# Altium PCB ZeroPilot3.0.PcbDoc (part 1 of 2) (continued)
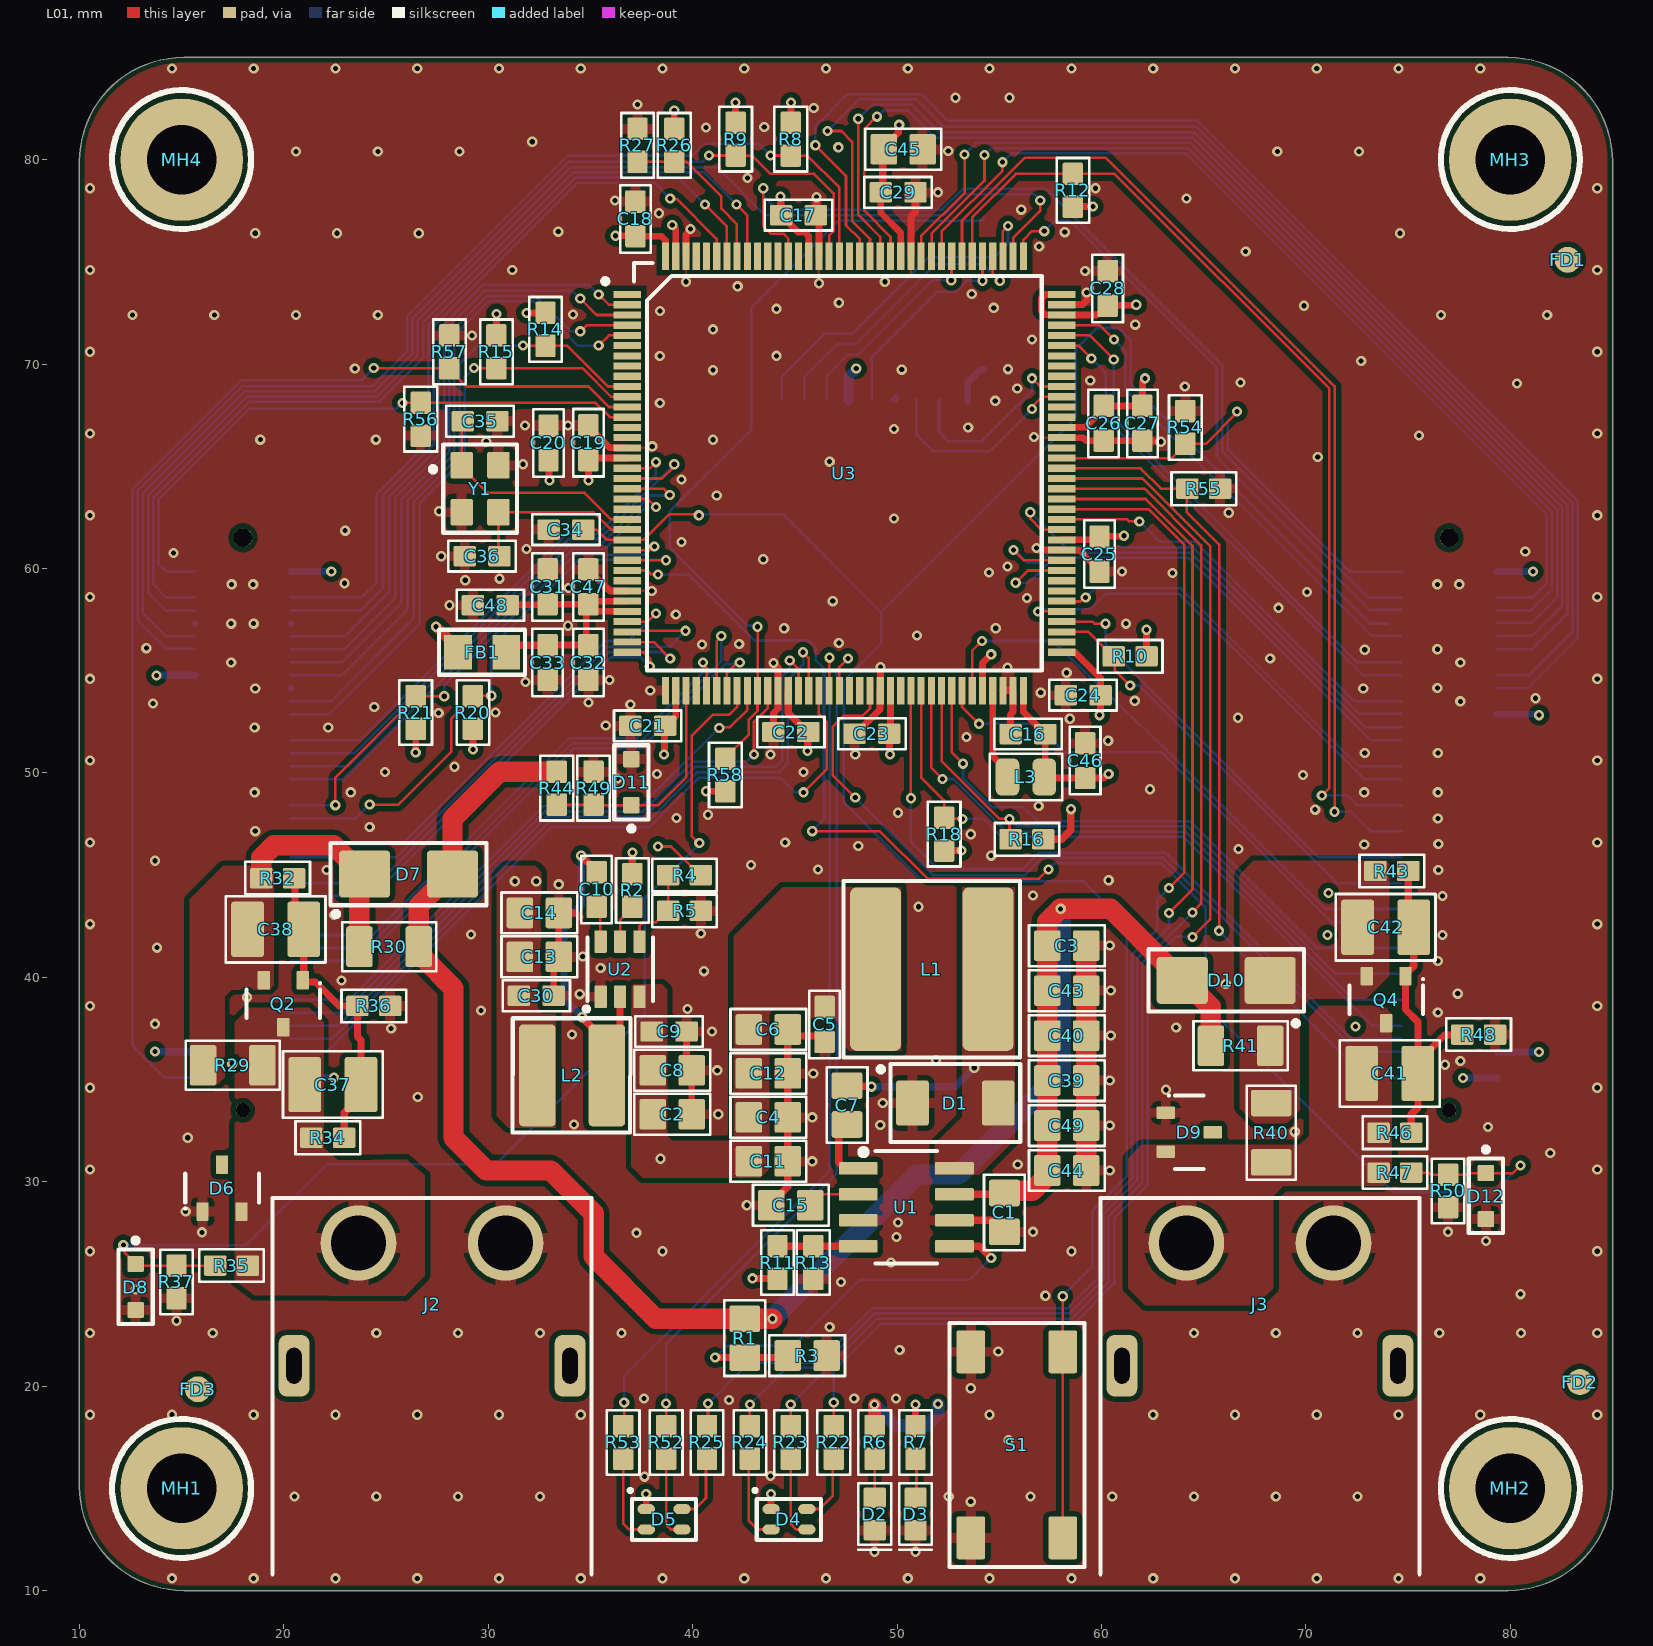
[diagram p0: L01 view]
## Design rules (kind name [scope] priority, off if disabled: settings)
AcuteAngle [All] p1: minimum=7.00000000000000E+0001 checktracksonly=FALSE
BoardOutlineClearance [All] p1: gap=0.254 ignorepadtopadclearanceinfootprint=FALSE except(0: Arc-SplitContinuation Track-SplitContinuation SMDPad-SplitContinuation THPad-SplitContinuation Via-SplitContinuation Fill-SplitContinuation Poly-SplitContinuation Region-SplitContinuation Text-SplitContinuation)
Clearance Clearance_PWR [(InNet('VDDA') or InNet('5V') or InNet('3V3') or InNet('GND') or InNet('SMPS'))] p1: gap=0.254 ignorepadtopadclearanceinfootprint=FALSE except(0: Arc-Hole Track-Hole SMDPad-Hole THPad-Hole Via-Hole Fill-Hole Poly-Hole Region-Hole Text-Hole; 0.14: Arc-SMDPad Track-SMDPad; 0.15: Arc-Arc Arc-Track Track-Track SMDPad-SMDPad; 0.4: Arc-THPad Arc-Text Track-THPad Track-Text SMDPad-THPad SMDPad-Text THPad-THPad THPad-Text Via-Text Fill-Text Poly-Text Region-Text Text-Text)
Clearance [All] p2: gap=0.254 ignorepadtopadclearanceinfootprint=FALSE except(0: Arc-Hole Track-Hole SMDPad-Hole THPad-Hole Via-Hole Fill-Hole Poly-Hole Region-Hole Text-Hole; 0.127: Arc-Arc Arc-Track Track-Track; 0.14: Arc-SMDPad Track-SMDPad; 0.15: SMDPad-SMDPad; 0.4: Arc-THPad Arc-Text Track-THPad Track-Text SMDPad-THPad SMDPad-Text THPad-THPad THPad-Text Via-Text Fill-Text Poly-Text Region-Text Text-Text)
HoleSize [All] p1: absolutevalues=TRUE maxlimit=4 minlimit=0.25 maxpercent=80.000 minpercent=20.000
MinimumSolderMaskSliver [All] p1: minsoldermaskwidth=0.19
PolygonConnect [All] p1: connectstyle=Relief reliefconductorwidth=0.508 reliefentries=4 polygonreliefangle="90 Angle" airgapwidth=0.254
RoutingVias [All] p1: holewidth=0.35 width=0.7 viastyle="Through Hole" minholewidth=0.25 minwidth=0.5 maxholewidth=0.5 maxwidth=1
SilkToSolderMaskClearance [IsPad] p1: minsilkscreentomaskgap=0.127 clearancetoexposedcopper=TRUE
SolderMaskExpansion [All] p1: expansion=0.1 istentingtop=FALSE
UnRoutedNet [All] p1: checkbadconnections=TRUE
Width [All] p1: maxlimit=1 minlimit=0.127 preferedwidth=0.381 toplayer_prefwidth=0.356 bottomlayer_prefwidth=0.356 minimp=50.000000 maximp=50.000000 favimp=50.000000
26 further rules are at their usual default settings.

## Classes and differential pairs
component class PWR: C1 C2 C3 C4 C5 C6 C7 C8 C9 C10 C11 C12 C13 C14 C15 C30 C39 C40 C43 C44 C49 D1 D2 D3 L1 L2 R1 R2 R3 R4 R5 R6 R7 R11 R13 U1 U2
component class MCU: C16 C17 C18 C19 C20 C21 C22 C23 C24 C25 C26 C27 C28 C29 C31 C32 C33 C34 C35 C36 C46 C47 C48 FB1 L3 R26 R27 S1 U3 Y1 Y?
component class IO: C45 D4 D5 FD1 FD2 FD3 FD4 FD5 FD6 J1 J4 J5 MH1 MH2 MH3 MH4 R8 R9 R10 R12 R14 R15 R16 R18 R20 R21 R22 R23 R24 R25 R52 R53 R54 R55 R56 R57 R58 SS1
component class FLTR: C37 C38 C41 C42 D6 D7 D8 D9 D10 D11 D12 J2 J3 Q2 Q4 R29 R30 R32 R34 R35 R36 R37 R40 R41 R43 R44 R46 R47 R48 R49 R50

## Components (designator, comment, footprint, x,y, rotation, side; value= is the part's Value field where it differs from the comment)
C1 "GCM21BR72A104KA37L" .CAP_0805-Footprint-1 55.25,28.5 r90 top value=0.1uF
C2 "CL21A106KOQNNNE" .CAP_0805-Footprint-1 39,33.3 r180 top value=10uF
C3 "GRM21BR61H106KE43L" .CAP_0805-Footprint-1 58.3,41.55 r180 top value=10uF
C4 "CL21A226MOQNNNE" .CAP_0805-Footprint-1 43.7,33.15 r180 top value=22uF
C5 "GCM188R71C104KA37D" .CAP_0603-Footprint-1 46.45,37.7 r90 top value=0.1uF
C6 "CL21A226MOQNNNE" .CAP_0805-Footprint-1 43.7,37.45 r180 top value=22uF
C7 "C0805C104M5RAC7800" .CAP_0805-Footprint-1 47.55,33.75 r270 top value=0.1uF
C8 "CL21A106KOQNNNE" .CAP_0805-Footprint-1 39,35.45 r180 top value=10uF
C9 "GCM188R71C104KA37D" .CAP_0603-Footprint-1 38.85,37.35 r180 top value=0.1uF
C10 "GCM188R71C104KA37D" .CAP_0603-Footprint-1 35.3,44.3 r270 top value=0.1uF
C11 "CL21A226MOQNNNE" .CAP_0805-Footprint-1 43.7,31 r180 top value=22uF
C12 "CL21A226MOQNNNE" .CAP_0805-Footprint-1 43.7,35.3 r180 top value=22uF
C13 "CL21A226MOQNNNE" .CAP_0805-Footprint-1 32.5,41 r180 top value=22uF
C14 "CL21A226MOQNNNE" .CAP_0805-Footprint-1 32.5,43.15 r180 top value=22uF
C15 "C0805C104M5RAC7800" .CAP_0805-Footprint-1 44.8,28.85 r0 top value=0.1uF
C16 "GRM188C81E475KE11D" .CAP_0603-Footprint-1 56.4,51.9 r0 top value=4.7uF
C17 "GCM188R71C104KA37D" .CAP_0603-Footprint-1 45.176,77.28 r180 top value=100nF
C18 "GCM188R71C104KA37D" .CAP_0603-Footprint-1 37.2,77.1 r270 top value=100nF
C19 "GRM188C81E475KE11D" .CAP_0603-Footprint-1 34.9,66.15 r270 top value=4.7uF
C20 "GCM188R71C104KA37D" .CAP_0603-Footprint-1 32.946,66.14 r270 top value=100nF
C21 "GCM188R71C104KA37D" .CAP_0603-Footprint-1 37.8,52.3 r0 top value=100nF
C22 "GCM188R71C104KA37D" .CAP_0603-Footprint-1 44.8,52 r0 top value=100nF
C23 "GCM188R71C104KA37D" .CAP_0603-Footprint-1 48.766,51.916 r0 top value=100nF
C24 "GCM188R71C104KA37D" .CAP_0603-Footprint-1 59.1,53.8 r0 top value=100nF
C25 "GCM188R71C104KA37D" .CAP_0603-Footprint-1 59.9,60.7 r90 top value=100nF
C26 "GCM188R71C104KA37D" .CAP_0603-Footprint-1 60.1,67.1 r90 top value=100nF
C27 "GRM188C81E475KE11D" .CAP_0603-Footprint-1 62,67.1 r90 top value=4.7uF
C28 "GCM188R71C104KA37D" .CAP_0603-Footprint-1 60.3,73.7 r270 top value=100nF
C29 "GCM188R71C104KA37D" .CAP_0603-Footprint-1 50.05,78.4 r180 top value=100nF
C30 "GCM188R71C104KA37D" .CAP_0603-Footprint-1 32.35,39.1 r180 top value=0.1uF
C31 "GCM188R71C105KA64J" .CAP_0603-Footprint-1 32.9,59.1 r270 top value=1uF
C32 "CC0603KRX7R7BB103" .CAP_0603-Footprint-1 34.9,55.4 r90 top value=10nF
C33 "GCM188R71C105KA64J" .CAP_0603-Footprint-1 32.9,55.4 r90 top value=1uF
C34 "GCM188R71C104KA37D" .CAP_0603-Footprint-1 33.8,61.9 r0 top value=0.1uF
C35 "C0603C200K4HACAUTO" .CAP_0603-Footprint-1 29.6,67.2 r180 top value=20pF
C36 "C0603C200K4HACAUTO" .CAP_0603-Footprint-1 29.7,60.6 r0 top value=20pF
C37 "CL32B225KCJSNNE" .CAP_1210-Footprint-1 22.4,34.75 r180 top value=2.2uF
C38 ".CAP_1210_DNP" .CAP_1210-Footprint-1 19.6,42.35 r180 top value=DNP
C39 "GRM21BR61H106KE43L" .CAP_0805-Footprint-1 58.3,34.95 r180 top value=10uF
C40 "GRM21BR61H106KE43L" .CAP_0805-Footprint-1 58.3,37.15 r180 top value=10uF
C41 "CL32B225KCJSNNE" .CAP_1210-Footprint-1 74.1,35.3 r180 top value=2.2uF
C42 ".CAP_1210_DNP" .CAP_1210-Footprint-1 73.9,42.45 r180 top value=DNP
C43 "GRM21BR61H106KE43L" .CAP_0805-Footprint-1 58.3,39.35 r180 top value=10uF
C44 "GRM21BR61H106KE43L" .CAP_0805-Footprint-1 58.3,30.55 r180 top value=10uF
C45 "CL21A106KOQNNNE" .CAP_0805-Footprint-1 50.3,80.5 r180 top value=10uF
C46 "GCM188R71C104KA37D" .CAP_0603-Footprint-1 59.2,50.6 r270 top value=0.1uF
C47 "GCM188R71C104KA37D" .CAP_0603-Footprint-1 34.9,59.1 r270 top value=0.1uF
C48 "GCM188R71C104KA37D" .CAP_0603-Footprint-1 30.1,58.2 r0 top value=0.1uF
C49 "GRM21BR61H106KE43L" .CAP_0805-Footprint-1 58.3,32.75 r180 top value=10uF
D1 "SS26-E3/5BT" SS26-E3/5BT 52.85,33.85 r0 top
D2 "LTST-C191KGKT" .LED_0603-Footprint-1 48.905,13.745 r270 top
D3 "LTST-C191KGKT" .LED_0603-Footprint-1 50.9,13.745 r270 top
D4 "APTF1616SURKCGKSYKC" APTF1616SURKCGKSYKC 44.71,13.49 r0 top
D5 "APTF1616SURKCGKSYKC" APTF1616SURKCGKSYKC 38.605,13.49 r0 top
D6 "CMPZ5264B TR PBFREE" .SOT23-3 16.95,29.75 r90 top
D7 "B180B-13-F" B180B-13-F 26.1,45.05 r0 top
D8 "MM3Z3V3B" FP-MM3Z3V3B-MFG 12.75,24.85 r90 top
D9 "CMPZ5264B TR PBFREE" .SOT23-3 64.35,32.45 r0 top
D10 "B180B-13-F" B180B-13-F 66.1,39.85 r180 top
D11 "MM3Z3V3B" FP-MM3Z3V3B-MFG 37,49.55 r270 top
D12 "MM3Z3V3B" FP-MM3Z3V3B-MFG 78.8,29.3 r90 top
FB1 "BLM31KN102SN1L" BLM31-1206-Footprint-1 29.7,55.9 r180 top
FD1 "FIDUCIAL-STANDARD" FIDUCIAL-STANDARD-Footprint-1 82.8,75.1 r90 top
FD2 "FIDUCIAL-STANDARD" FIDUCIAL-STANDARD-Footprint-1 83.4,20.2 r90 top
FD3 "FIDUCIAL-STANDARD" FIDUCIAL-STANDARD-Footprint-1 15.8,19.85 r90 top
FD4 "FIDUCIAL-STANDARD" FIDUCIAL-STANDARD-Footprint-1 80.8,19.95 r90 bottom
FD5 "FIDUCIAL-STANDARD" FIDUCIAL-STANDARD-Footprint-1 14.3,20.45 r90 bottom
FD6 "FIDUCIAL-STANDARD" FIDUCIAL-STANDARD-Footprint-1 74.1,82.8 r90 bottom
J1 "528850874" 528850874 77,47.5 r180 bottom locked
J2 "XT60PW-M" XT60PW-M-Footprint-1 27.25,27 r180 top locked
J3 "XT60PW-M" XT60PW-M-Footprint-1 67.75,27 r180 top locked
J4 "5027740891" 5027740891-Footprint-1 54.25,69.75 r180 bottom locked
J5 "528850874" 528850874 18,47.5 r180 bottom locked
L1 "TYS8040221M-10" TYS8040221M-10 51.7,40.4 r180 top value=220uH
L2 "TYS50402R2N-10" TYS50402R2N-10 34.1,35.2 r180 top value=2.2uH
L3 "MLP2016H4R7MT0S1" INDC1916X10N 56.3,49.8 r0 top value=4.7uH
MH1 "M3HOLE-STANDARD" M3HOLE-STANDARD-Footprint-1 15,15 r0 top
MH2 "M3HOLE-STANDARD" M3HOLE-STANDARD-Footprint-1 80,15 r0 top
MH3 "M3HOLE-STANDARD" M3HOLE-STANDARD-Footprint-1 80,80 r0 top
MH4 "M3HOLE-STANDARD" M3HOLE-STANDARD-Footprint-1 15,80 r0 top
Q2 "SI2387DS-T1-GE3" .SOT23-3 20,38.65 r270 top
Q4 "SI2387DS-T1-GE3" .SOT23-3 73.95,38.85 r270 top
R1 "RC0805FR-071ML" .RES_0805-Footprint-1 42.55,22.35 r90 top value=1M
R2 "RC0603FR-0710KL" .RES_0603-Footprint-1 37.05,44.25 r90 top value=10k
R3 "RC0805FR-07383KL" .RES_0805-Footprint-1 45.6,21.5 r180 top value=383k
R4 "RC0603FR-0733K2" .RES_0603-Footprint-1 39.6,45 r0 top value=33.2k
R5 "RC0603FR-0710KL" .RES_0603-Footprint-1 39.6,43.25 r180 top value=10k
R6 "RC0603FR-075K9L" .RES_0603-Footprint-1 48.9,17.25 r90 top value=5.9k
R7 "RC0603FR-072K4L" .RES_0603-Footprint-1 50.9,17.25 r90 top value=2.4k
R8 "RC0603JR-074K7L" .RES_0603-Footprint-1 44.8,81 r90 top value=4.7k
R9 "RC0603JR-074K7L" .RES_0603-Footprint-1 42.1,81 r90 top value=4.7k
R10 "RC0603JR-074K7L" .RES_0603-Footprint-1 61.4,55.7 r0 top value=4.7k
R11 "RC0603FR-0741K2L" .RES_0603-Footprint-1 44.15,26.05 r270 top value=41.2k
R12 "RC0603JR-074K7L" .RES_0603-Footprint-1 58.6,78.5 r270 top value=4.7k
R13 "RC0603FR-0713K3L" .RES_0603-Footprint-1 45.9,26.05 r90 top value=13.3k
R14 "RC0603JR-074K7L" .RES_0603-Footprint-1 32.8,71.7 r90 top value=4.7k
R15 "RC0603JR-074K7L" .RES_0603-Footprint-1 30.4,70.6 r90 top value=4.7k
R16 "RC0603JR-074K7L" .RES_0603-Footprint-1 56.35,46.75 r0 top value=4.7k
R18 "RC0603JR-074K7L" .RES_0603-Footprint-1 52.3,47 r270 top value=4.7k
R20 "RC0603JR-074K7L" .RES_0603-Footprint-1 29.25,52.95 r270 top value=4.7k
R21 "RC0603JR-074K7L" .RES_0603-Footprint-1 26.45,52.95 r270 top value=4.7k
R22 "RC0603FR-071KL" .RES_0603-Footprint-1 46.9,17.25 r90 top value=1k
R23 "RC0603FR-071KL" .RES_0603-Footprint-1 44.8,17.25 r90 top value=1k
R24 "RC0603FR-071KL" .RES_0603-Footprint-1 42.8,17.25 r90 top value=1k
R25 "RC0603FR-071KL" .RES_0603-Footprint-1 40.7,17.25 r90 top value=1k
R26 ".RES_0603_DNP" .RES_0603-Footprint-1 39.1,80.7 r90 top value=DNP
R27 "RC0603FR-0710KL" .RES_0603-Footprint-1 37.3,80.7 r270 top value=10k
R29 ".RES_1206_DNP" .RES_1206-Footprint-1 17.5,35.7 r180 top value=DNP
R30 ".RES_1206_DNP" .RES_1206-Footprint-1 25.15,41.5 r0 top value=DNP
R32 "RT0603BRD0750KL" .RES_0603-Footprint-1 19.7,44.85 r180 top value=50k
R34 ".RES_0603_DNP" .RES_0603-Footprint-1 22.15,32.15 r180 top value=DNP
R35 "RC0603FR-07280KL" .RES_0603-Footprint-1 17.447,25.9 r0 top
R36 "RC0603FR-07100KL" .RES_0603-Footprint-1 24.4,38.6 r180 top value=100k
R37 "RC0603FR-0716K2L" .RES_0603-Footprint-1 14.75,25.1 r90 top value=16.2k
R40 ".RES_1206_DNP" .RES_1206-Footprint-1 68.3,32.4 r90 top value=DNP
R41 ".RES_1206_DNP" .RES_1206-Footprint-1 66.8,36.65 r180 top value=DNP
R43 "RT0603BRD0750KL" .RES_0603-Footprint-1 74.2,45.2 r180 top value=50k
R44 "RC0603FR-07280KL" .RES_0603-Footprint-1 33.35,49.25 r90 top
R46 ".RES_0603_DNP" .RES_0603-Footprint-1 74.35,32.4 r180 top value=DNP
R47 "RC0603FR-07280KL" .RES_0603-Footprint-1 74.35,30.45 r180 top
R48 "RC0603FR-07100KL" .RES_0603-Footprint-1 78.45,37.2 r180 top value=100k
R49 "RC0603FR-0716K2L" .RES_0603-Footprint-1 35.15,49.25 r270 top value=16.2k
R50 "RC0603FR-0716K2L" .RES_0603-Footprint-1 76.95,29.55 r90 top value=16.2k
R52 "RC0603FR-071KL" .RES_0603-Footprint-1 38.7,17.25 r90 top value=1k
R53 "RC0603FR-071KL" .RES_0603-Footprint-1 36.6,17.25 r90 top value=1k
R54 "RC0603FR-0710KL" .RES_0603-Footprint-1 64.1,66.9 r270 top value=10k
R55 "RC0603FR-0710KL" .RES_0603-Footprint-1 65,63.9 r180 top value=10k
R56 "RC0603FR-0710KL" .RES_0603-Footprint-1 26.7,67.3 r90 top value=10k
R57 "RC0603FR-0710KL" .RES_0603-Footprint-1 28.1,70.6 r270 top value=10k
R58 "RC0603FR-0710KL" .RES_0603-Footprint-1 41.6,49.9 r270 top value=10k
S1 "SWITCH_SPST_NO" SWITCH_SPST_NO-Footprint-1 55.95,16.9 r90 top
SS1 "LABEL-STANDARD" LABEL-STANDARD-Footprint-1 47.2,23.4 r180 bottom
U1 "MAX5033DASA+" MAX5033DASA+ 50.45,28.75 r0 top
U2 "TPS563201DDCR" TPS56320 36.45,40.4 r90 top
U3 "STM32L562ZET6Q" LQFP-144 47.425,64.65 r0 top locked
Y1 "ECS-80-12-33-JGN-TR" ECS-80-12-33-JGN-TR 29.6,63.9 r270 top

## Footprints (in the part's own frame and the unit in brackets; to place one, negate y for a bottom-side part, rotate by r counter-clockwise, add the part's x,y. Pads: shape width x height; smd on the part's side, far side on the other; paste and mask are expansions set on the pad)
528850874 [mm]
  rect 2.6x0.35 smd mask+0.04: 1(-2.35,12.35)
  oval 2.6x0.35 smd mask+0.04: 2(-2.35,11.715) 3(-2.35,11.08) 4(-2.35,10.445) 5(-2.35,9.81) 6(-2.35,9.175) 7(-2.35,8.54) 8(-2.35,7.905) 9(-2.35,7.27) 10(-2.35,6.635) 11(-2.35,6) 12(-2.35,5.365) 13(-2.35,4.73) 14(-2.35,4.095) 15(-2.35,3.46) 16(-2.35,2.825) 17(-2.35,2.19) 18(-2.35,1.555) 19(-2.35,0.92) 20(-2.35,0.285) 21(-2.35,-0.35) 22(-2.35,-0.985) 23(-2.35,-1.62) 24(-2.35,-2.255) 25(-2.35,-2.89) 26(-2.35,-3.525) 27(-2.35,-4.16) 28(-2.35,-4.795) 29(-2.35,-5.43) 30(-2.35,-6.065) 31(-2.35,-6.7) 32(-2.35,-7.335) 33(-2.35,-7.97) 34(-2.35,-8.605) 35(-2.35,-9.24) 36(-2.35,-9.875) 37(-2.35,-10.51) 38(-2.35,-11.145) 39(-2.35,-11.78) 40(-2.35,-12.415) 41(2.35,12.35) 42(2.35,11.715) 43(2.35,11.08) 44(2.35,10.445) 45(2.35,9.81) 46(2.35,9.175) 47(2.35,8.54) 48(2.35,7.905) 49(2.35,7.27) 50(2.35,6.635) 51(2.35,6) 52(2.35,5.365) 53(2.35,4.73) 54(2.35,4.095) 55(2.35,3.46) 56(2.35,2.825) 57(2.35,2.19) 58(2.35,1.555) 59(2.35,0.92) 60(2.35,0.285) 61(2.35,-0.35) 62(2.35,-0.985) 63(2.35,-1.62) 64(2.35,-2.255) 65(2.35,-2.89) 66(2.35,-3.525) 67(2.35,-4.16) 68(2.35,-4.795) 69(2.35,-5.43) 70(2.35,-6.065) 71(2.35,-6.7) 72(2.35,-7.335) 73(2.35,-7.97) 74(2.35,-8.605) 75(2.35,-9.24) 76(2.35,-9.875) 77(2.35,-10.51) 78(2.35,-11.145) 79(2.35,-11.78)
  oval 2.6x0.35 smd mask+0.05: 80(2.35,-12.415)
  rect 2x2.5 smd: ""(0,-15.5) ""(0,15.6)
  round 0.7 hole 0.7 unplated mask+0: ""(0,-14)
  round 0.9 hole 0.9 unplated mask+0: ""(0,14)
  silkscreen extent -4.9,-17.1 4.2,17.3, body extent -3.2,-16.66 3.2,16.61, height 4.18
5027740891-Footprint-1 [mm]
  rect 0.8x1.68 smd mask+0.05: 1(9.9,-1.5) 2(8.8,-1.5) 3(7.7,-1.5) 4(6.6,-1.5) 5(5.5,-1.5) 6(4.4,-1.5) 7(3.3,-1.49) 8(2.2,-1.49)
  rect 1.29x1.3 smd mask+0.05: 9(0,7.4)
  rect 1.3x1 smd mask+0.05: 10(0,0)
  rect 1.4x1.5 smd mask+0.05: G1(0.8,-1.58)
  rect 1.5x1.7 smd mask+0.05: G2(0.105,13.27) G3(13.605,13.27)
  rect 1.7x1.5 smd mask+0.05: G4(13.25,-1.58)
  silkscreen extent -1.2,-2.7 14.8,14.6, body extent -0.15,-2.2 14.15,13.8, height 1.81
.CAP_0603-Footprint-1 [mm]
  rrect15% 1.1x1 smd: 1(-0.85,0) 2(0.85,0)
  silkscreen extent -1.65,-0.75 1.65,0.75, body extent -0.87,-0.45 0.87,0.5, height 0.87
.CAP_0805-Footprint-1 [mm]
  rrect15% 1.3x1.5 smd: 1(-0.95,0) 2(0.95,0)
  silkscreen extent -1.85,-1 1.85,1, body extent -1.1,-0.7 1.1,0.75, height 1.39
.CAP_1210-Footprint-1 [mm] "Chip Capacitor, 2-Leads, 1210 Generic"
  rrect15% 1.6x2.7 smd: 1(-1.375,0) 2(1.375,0)
  silkscreen extent -2.44,-1.63 2.44,1.63, body extent -1.75,-1.35 1.75,1.35, height 2.7
.LED_0603-Footprint-1 [mm]
  rrect20% 1x1.1 smd: 1(-0.8,0) 2(0.8,0)
  silkscreen extent -1.51,-0.8 1.75,0.8, body extent -0.81,-0.4 0.81,0.4, height 0.6
.RES_0603-Footprint-1 [mm]
  rrect15% 1.1x1 smd: 1(-0.8,0) 2(0.8,0)
  silkscreen extent -1.58,-0.8 1.58,0.8, body extent -0.8,-0.4 0.8,0.4, height 0.46
.RES_0805-Footprint-1 [mm]
  rrect15% 1.3x1.5 smd: 1(-0.95,0) 2(0.95,0)
  silkscreen extent -1.85,-1 1.85,1, body extent -1,-0.62 1,0.63, height 0.61
.RES_1206-Footprint-1 [mm]
  rrect20% 1.3x2 smd: 1(-1.45,0) 2(1.45,0)
  silkscreen extent -2.3,-1.2 2.3,1.2, body extent -1.6,-0.8 1.6,0.8, height 0.61
.SOT23-3 [mm]
  rrect15% 0.9x0.6 smd: 1(-1.21,0.923) 2(-1.21,-0.977) 3(1.09,-0.027)
  silkscreen extent -1.11,-1.83 0.64,1.82, body extent -1.36,-1.53 1.24,1.47, height 1.1
APTF1616SURKCGKSYKC [mm]
  oval 0.85x0.5 smd: 1(-0.875,0.5) 2(0.875,0.5) 3(0.875,-0.5) 4(-0.875,-0.5)
  silkscreen extent -1.71,-1.02 1.57,1.46, body extent -0.8,-0.8 0.8,0.8, height 0.58
B180B-13-F [mm]
  rrect15% 2.5x2.3 smd: 1(-2.15,0) 2(2.15,0)
  silkscreen extent -3.81,-2.08 3.81,1.52, body extent -2.8,-1.97 2.8,1.97, height 2.45
BLM31-1206-Footprint-1 [mm]
  rect 1.354x1.706 smd paste+0: 1(-1.176,0) 2(1.176,0)
  silkscreen extent -2.1,-1.1 2.1,1.1, body extent -1.95,-1 1.95,1, height 0.25
ECS-80-12-33-JGN-TR [mm]
  rrect15% 1.3x1.1 smd: 1(-1.15,-0.9) 2(1.15,-0.9) 3(1.15,0.9) 4(-1.15,0.9)
  silkscreen extent -2.17,-2.43 2.15,1.8, body extent -1.6,-1.25 1.6,1.25, height 0.8
FIDUCIAL-STANDARD-Footprint-1 [mm]
  round 1.27 smd: 1(0,0)
FP-MM3Z3V3B-MFG [mm]
  rrect15% 0.8x0.8 smd paste+0: 1(-1.125,0) 2(1.125,0)
  silkscreen extent -1.8,-0.84 2.4,0.84, body extent -1.63,-0.82 1.63,0.82, height 0.25
INDC1916X10N [mm] "Chip Inductor, 2-Leads, Body 1.90x1.60mm, IPC Medium Density"
  rrect50% 1.15x1.82 smd: 1(-0.9,0) 2(0.9,0)
  silkscreen extent -1.78,-1.14 1.78,1.14, body extent -1,-0.8 1,0.8, height 0.85
LABEL-STANDARD-Footprint-1 [mm]
  silkscreen extent -10.5,-10.5 10.5,10.5
LQFP-144 [mm] "CQFP, 144-Leads, Body 22.60x22.60mm, Pitch 0.50mm"
  rect 1.35x0.35 smd: 1(-10.625,8.75) 2(-10.625,8.25) 3(-10.625,7.75) 4(-10.625,7.25) 5(-10.625,6.75) 6(-10.625,6.25) 7(-10.625,5.75) 8(-10.625,5.25) 9(-10.625,4.75) 10(-10.625,4.25) 11(-10.625,3.75) 12(-10.625,3.25) 13(-10.625,2.75) 14(-10.625,2.25) 15(-10.625,1.75) 16(-10.625,1.25) 17(-10.625,0.75) 18(-10.625,0.25) 19(-10.625,-0.25) 20(-10.625,-0.75) 21(-10.625,-1.25) 22(-10.625,-1.75) 23(-10.625,-2.25) 24(-10.625,-2.75) 25(-10.625,-3.25) 26(-10.625,-3.75) 27(-10.625,-4.25) 28(-10.625,-4.75) 29(-10.625,-5.25) 30(-10.625,-5.75) 31(-10.625,-6.25) 32(-10.625,-6.75) 33(-10.625,-7.25) 34(-10.625,-7.75) 35(-10.625,-8.25) 36(-10.625,-8.75) 73(10.625,-8.75) 74(10.625,-8.25) 75(10.625,-7.75) 76(10.625,-7.25) 77(10.625,-6.75) 78(10.625,-6.25) 79(10.625,-5.75) 80(10.625,-5.25) 81(10.625,-4.75) 82(10.625,-4.25) 83(10.625,-3.75) 84(10.625,-3.25) 85(10.625,-2.75) 86(10.625,-2.25) 87(10.625,-1.75) 88(10.625,-1.25) 89(10.625,-0.75) 90(10.625,-0.25) 91(10.625,0.25) 92(10.625,0.75) 93(10.625,1.25) 94(10.625,1.75) 95(10.625,2.25) 96(10.625,2.75) 97(10.625,3.25) 98(10.625,3.75) 99(10.625,4.25) 100(10.625,4.75) 101(10.625,5.25) 102(10.625,5.75) 103(10.625,6.25) 104(10.625,6.75) 105(10.625,7.25) 106(10.625,7.75) 107(10.625,8.25) 108(10.625,8.75)
  rect 0.35x1.35 smd: 37(-8.75,-10.625) 38(-8.25,-10.625) 39(-7.75,-10.625) 40(-7.25,-10.625) 41(-6.75,-10.625) 42(-6.25,-10.625) 43(-5.75,-10.625) 44(-5.25,-10.625) 45(-4.75,-10.625) 46(-4.25,-10.625) 47(-3.75,-10.625) 48(-3.25,-10.625) 49(-2.75,-10.625) 50(-2.25,-10.625) 51(-1.75,-10.625) 52(-1.25,-10.625) 53(-0.75,-10.625) 54(-0.25,-10.625) 55(0.25,-10.625) 56(0.75,-10.625) 57(1.25,-10.625) 58(1.75,-10.625) 59(2.25,-10.625) 60(2.75,-10.625) 61(3.25,-10.625) 62(3.75,-10.625) 63(4.25,-10.625) 64(4.75,-10.625) 65(5.25,-10.625) 66(5.75,-10.625) 67(6.25,-10.625) 68(6.75,-10.625) 69(7.25,-10.625) 70(7.75,-10.625) 71(8.25,-10.625) 72(8.75,-10.625) 109(8.75,10.625) 110(8.25,10.625) 111(7.75,10.625) 112(7.25,10.625) 113(6.75,10.625) 114(6.25,10.625) 115(5.75,10.625) 116(5.25,10.625) 117(4.75,10.625) 118(4.25,10.625) 119(3.75,10.625) 120(3.25,10.625) 121(2.75,10.625) 122(2.25,10.625) 123(1.75,10.625) 124(1.25,10.625) 125(0.75,10.625) 126(0.25,10.625) 127(-0.25,10.625) 128(-0.75,10.625) 129(-1.25,10.625) 130(-1.75,10.625) 131(-2.25,10.625) 132(-2.75,10.625) 133(-3.25,10.625) 134(-3.75,10.625) 135(-4.25,10.625) 136(-4.75,10.625) 137(-5.25,10.625) 138(-5.75,10.625) 139(-6.25,10.625) 140(-6.75,10.625) 141(-7.25,10.625) 142(-7.75,10.625) 143(-8.25,10.625) 144(-8.75,10.625)
  silkscreen extent -11.82,-9.65 9.65,10.3, body extent -11.1,-11.1 11.1,11.1, height 1.6
M3HOLE-STANDARD-Footprint-1 [mm]
  round 6 hole 3.4: 1(0,0)
  silkscreen extent -3.4,-3.4 3.4,3.4
MAX5033DASA+ [mm] "SOIC, 8-Leads, Body 4.9x3.9mm, Pitch 1.27mm, IPC High Density"
  rrect15% 1.9x0.6 smd: 1(-2.35,1.905) 2(-2.35,0.635) 3(-2.35,-0.635) 4(-2.35,-1.905) 5(2.35,-1.905) 6(2.35,-0.635) 7(2.35,0.635) 8(2.35,1.905)
  silkscreen extent -2.25,-2.75 1.5,2.85, body extent -3.1,-2.5 3.1,2.5, height 1.76
SS26-E3/5BT [mm]
  rrect15% 1.6x2.2 smd: 1(-2.1,0) 2(2.1,0)
  silkscreen extent -3.78,-1.91 3.17,1.91, body extent -2.7,-1.78 2.7,1.78, height 2.21
SWITCH_SPST_NO-Footprint-1 [mm]
  rrect15% 2.1x1.4 smd: 1(-4.318,-2.159) 2(4.782,-2.159) 3(-4.318,2.341) 4(4.782,2.341)
  silkscreen extent -5.74,-3.22 6.18,3.39, body extent -4.82,-2.86 5.18,3.14, height 4.41
TPS56320 [mm]
  rrect15% 1.1x0.6 smd mask+0.06: 1(-1.35,0.95) 2(-1.35,0) 3(-1.35,-0.95) 4(1.35,-0.95) 5(1.35,0) 6(1.35,0.95)
  silkscreen extent -2.03,-1.6 1.55,1.73, body extent -1.4,-1.45 1.4,1.45, height 0.97
TYS50402R2N-10 [mm]
  rrect25% 1.8x5 smd: 1(-1.7,0) 2(1.7,0)
  silkscreen extent -2.85,-2.8 2.91,2.8, body extent -2.6,-2.61 2.6,2.61, height 3.99
TYS8040221M-10 [mm]
  rrect25% 2.5x8 smd: 1(-2.75,0) 2(2.75,0)
  silkscreen extent -4.32,-4.32 4.32,4.32, body extent -4.1,-4.11 4.1,4.11, height 4.19
XT60PW-M-Footprint-1 [mm] "XT60PW-M-Footprint-1"
  round 3.7 hole 2.7: 1(3.6,0) 2(-3.6,0)
  rrect50% 1.5x3 hole 0.75 slot 1.75 at 90 deg: MH0(-6.75,6) MH1(6.75,6)
  silkscreen extent -7.8,-2.2 7.8,16.2, body extent -7.75,-1.85 7.75,16.35, height 8.41

## Part data
C1: library part CMP-001-00011-3, "CAP CER 0.1uF 100V X7R 0805", Case/Package=0805, Temperature Coefficient=X7R, Voltage Rating=100V
C2 C8 C45: library part CMP-001-00016-4, "CAP CER 10UF 16V X5R 0805", Capacitance=10uF, Package=0805, Temperature Coefficient=X5R, Voltage=16V
C3 C39 C40 C43 C44 C49: library part CMP-001-00027-1, "CAP CER 10uF 50V X5R 0805", Case/Package=0805, Dielectric=X5R, Voltage Rating=50V
C4 C6 C11 C12 C13 C14: library part CMP-001-00015-4, "CAP CER 22UF 16V X5R 0805", Capacitance=22uF, Package=0805, Temperature Coefficient=X5R, Voltage=16V
C5 C9 C10 C30 C34: library part CMP-001-00017-6, "CAP CER 0.1UF 16V X7R 0603", Capacitance=0.1uF, Package=0603, Temperature Coefficient=X7R, Voltage=16V
C7 C15: library part CMP-00004-3, "CAP CER 0.1UF 50V X7R 0805", Capacitance=0.1uF, Package=0805, Temperature Coefficient=X7R, Voltage=50V
C16 C19 C27: library part CMP-001-00002-8, "CAP CER 4.7uF 25V X6S 0603", Capacitance=4.7uF, Package=0603, Voltage=25V
C17 C18 C20 C21 C22 C23 C24 C25 C26 C28 C29: library part CMP-001-00003-8, "CAP CER 100nF 16V X7R 0603", Capacitance=100nF, Package=0603, Voltage=16V
C31 C33: library part CMP-001-00007-6, "CAP CER 1uF 16V X7R 0603", Capacitance=1uF, Package=0603, Voltage=16V
C32: library part CMP-001-00004-10, "CAP CER 10nF 16V X7R 0603", Capacitance=10nF, Package=0603, Voltage=16V
C35 C36: library part CMP-001-00021-6, "CAP CER 20pF 16V 0603 ULTRA STAB", Package=0603, Temperature Coefficient=X8R, Voltage=16V
C37 C41: library part CMP-001-00013-5, "CAP CER 2.2uF 100V X7R 1210", Case/Package=1210, Temperature Coefficient=X7R, Voltage Rating=100V
C38 C42: library part CMP-001-00024-2, "DNP 1210 Capacitor"
C46 C47 C48: library part CMP-001-00020-5, "CAP CER 0.1uF 16V X7R 0603", Capactitance=0.1uF, Package=0603, Temperature Coefficient=X7R, Voltage=16V
D1: library part CMP-004-00012-1, "DIODE SCHOTTKY 60V 2A", Average Rectified Current=2A, Case/Package=SMB, Forward Voltage=700mV, Max Repetitive Reverse Voltage (Vrrm)=60V, Max Surge Current=75A, Forward Current=2A, Mount="Surface Mount"
D2 D3: library part CMP-001-00018-4, "LED GREEN 2V 0603"
D4 D5: library part CMP-004-00003-5, "LED GREEN/RED/YELLOW CLEAR 4SMD", Color=Green,Red,Yellow, Forward Voltage=2V
D6 D9: library part CMP-004-00009-3, "ZENER 60V", Case/Package=SOT23-3, Zener Voltage=60V
D7 D10: library part CMP-004-00010-4, "DIODE SCHOTTKY 80V 1A", Average Rectified Current=1A, Forward Voltage=790mV, Max Forward Surge Current (Ifsm)=30A, Max Reverse Voltage (DC)=80V
D8 D11 D12: library part CMP-004-00006-4, "ZENER 3.3V", Forward Voltage=1V, Max Power Dissipation=200mW, Max Reverse Current=4.5uA, Tolerance=2%, Working Voltage=3.3V, Power Dissipation=200mW, Zener Voltage=3.3V
FB1: library part CMP-00006-2, "FERRITE BEAD 1 KOHM 1206 1LN", DC Resistance (DCR)=75mR, Package=1206
FD1 FD2 FD3 FD4 FD5 FD6: library part CMP-00028-00000-1, "Standard Fiducial"
J1 J5: library part CMP-00032-8, "Receptacle: SlimStack Board-to-Board Connector, 0.635mm Pitch, 0.635 Series, 6.00 to 10.00mm Mated Height, 6.40mm Mated Width, 80 Circuits", Gender=Receptacle, Pins=80, Pitch=0.635mm, Rows=2, Series=SlimStack
J2 J3: library part CMP-00007-11, "Board Mount XT60PW-M 2 Pin Male Connector", Manufacturer=TME
J4: library part CMP-002-00000-7, "CONN MICRO SD CARD PUSH-PUSH R/A", Manufacturer=Molex, Supplier Part Number=WM24066CT-ND, Datasheet=https://www.molex.com/pdm_docs/sd/5027740891_sd.pdf, Manufacturer Part Number 1=5027740891, Number of Positions="10 (8 + 2)", Supplier=Digikey
L1: library part CMP-006-00002-6, "FIXED IND 220uH 800mA 599mOhm", Current=800mA, Inductance=220uH, Resistance=599m
L2: library part CMP-006-00003-5, "FIXED IND 2.2uH 3.8A 19mOhm SMD", Current=3.8A, Inductance=2.2uH, Resistance=19m
L3: library part CMP-006-00001-4, "FIXED IND 4.7uH 1.1A 200MOHM SMD", Current=1.1A, Inductance=4.7uH, Resistance=200M
MH1 MH2 MH3 MH4: library part CMP-00005-1, "Standard M3 Mounting hole as defined by mech team, see confluence for reasonning", Hole Diam=3.400mm, Plating Diam=6.000mm
Q2 Q4: library part CMP-013-00005-1, "MOSFET P-CH 80V 3A 242mOhm", Continuous Current=3A, Drain-to-Source Voltage=80V, Gate Threshold=-2.5V
R1: library part CMP-009-00003-4, "1 MOhms ±1% 0.125W, 1/8W Chip Resistor 0805 (2012 Metric)", Package=0805, Power=1/8W, Resistance=1M
R2 R5 R27 R54 R55 R56 R57 R58: library part CMP-009-00006-4, "RES 10K OHM 1% 1/10W 0603", Package=0603, Power=1/10W, Resistance=10k
R3: library part CMP-009-00004-5, "RES 383k OHM 1% 0.125W, 1/8W Chip Resistor 0805", Package=0805, Power=1/8W, Resistance=383k
R4: library part CMP-009-00005-4, "RES 33.2K OHM 1% 1/10W 0603", Package=0603, Power=1/10W, Resistance=33.2k
R6: library part CMP-009-00011-3, "RES 5.9k OHM 1% 1/10W 0603", Case/Package=0603, Power=1/10W
R7: library part CMP-009-00010-3, "RES 2.4k OHM 1% 1/10W 0603", Case/Package=0603, Power=1/10W
R8 R9 R10 R12 R14 R15 R16 R18 R20 R21: library part CMP-009-00019-3, "RES 4.7K OHM 5% 1/10W 0603", Case/Package=0603, Power Rating=100mW, Resistance=4.7k, Resistance Tolerance=5%, Voltage Rating (DC)=50V
R11: library part CMP-009-00024-1, "RES 41.2k OHM 1% 1/10W 0603", Case/Package=0603, Power Rating=100mW, Tolerance=1%, Voltage Rating=50V
R13: library part CMP-009-00025-1, "RES 13.3k OHM 1% 1/10W 0603", Case/Package=0603, Power Rating=100mW, Tolerance=1%, Voltage Rating=50V
R22 R23 R24 R25 R52 R53: library part CMP-009-00012-3, "RES 1k OHM 1% 1/10W 0603", Case/Package=0603, Power=1/10W
R26 R34 R46: library part CMP-009-00018-3, "DNP 0603 Resistor"
R29 R30 R40 R41: library part CMP-009-00021-1, "DNP 1206 Resistor"
R32 R43: library part CMP-009-00015-3, "RES 50k OHM 1% 1/10W 0603", Case/Package=0603, Power Rating=1/10W
R35 R44 R47: library part CMP-009-00007-4, "RES 280k OHM 1% 1/10W 0603", Case/Package=0603, Power=1/10W, Resistance=280k, Voltage Rating=50V
R36 R48: library part CMP-009-00014-3, "RES 100K OHM 1% 1/10W 0603", Case/Package=0603, Power Rating=1/10W, Voltage Rating=50V
R37 R49 R50: library part CMP-009-00009-3, "RES 16.2k OHM 1% 1/10W 0603", Case/Package=0603, Power=1/10W, Voltage Rating (DC)=50V
S1: library part CMP-011-00000-4, "SWITCH TACTILE SPST-NO 0.05A 12V", Manufacturer Part Number=TL3301NF160QG/TR, Supplier Part Number=EG1867CT-ND, Mounting Type="Surface Mount", Supplier=Digi-Key
SS1: library part CMP-00028-00001-1, "Silk screen marking spot for us to place a QR code. 2cmx2cm size."
U1: library part CMP-00002-6, "DC-DC Switching Buck (Step Down) Regulator, Adjustable, 7.5V-76Vin, 1.25V-13.2Vout, 500mAout, SOIC-8", Package=8-SOIC
U2: library part CMP-001-0000-7, "Buck Switching Regulator IC Positive Adjustable 0.768V 1 Output 3A SOT-23-6 Thin, TSOT-23-6", Case/Package=SOT-23-6, Max Input Voltage=17V, Max Output Voltage=7V, Min Input Voltage=4.5V, Min Output Voltage=768mV, Output Current=3A, Switching Frequency=580kHz, Mount="Surface Mount", Packaging="Cut Tape"
U3: library part CMP-00000-18, "MCU 32-Bit STM32 ARM Cortex-M33F RISC 512KB Flash 1.71V to 3.6V 144-Pin LQFP Tray", Datasheet=https://www.st.com/resource/en/datasheet/stm32l562ve.pdf
Y1: library part CMP-004-000000-2, "8 MHz ±20ppm Crystal 12pF 400 Ohms 4-SMD", Equivalent Series Resistance=50Ω, Frequency=8MHz, Frequency Stability=±20ppm, Frequency Tolerance=±10ppm, Load Capacitance=10pF, Manufacturer 1="ECS Inc.", Design Item ID=ECS-80-12-33-JGN-TR, Manufacturer Part Number 1=ECS-80-12-33-JGN-TR, Source="Bootcamp SchLib.SchLib"

## Via types
v1: diameter 0.5, hole 0.25, L01 to L04, tented both sides, 529 vias

## Nets (pads, with @x,y where several pads share a name; then routed paths per layer and width w, separated by ;. In a path a pad name is that pad's centre, name@x,y a point inside that pad or via, vN(x,y) a via of type N, cw(c..) or ccw(c..) an arc to the next point about the centre after c; other vN are vias at no path point)
3V3: C13.2 C14.2 C17.2 C18.2 C19.2 C20.2 C21.2 C22.2 C23.2 C24.2 C25.2 C26.2 C27.2 C28.2 C29.2 C30.2 C45.2 D4.1 D5.1 FB1.2 J1.1 J1.40 J4.4 J5.1 J5.40 L2.2 R4.2 R7.2 R8.2 R9.2 R10.2 R12.2 R14.2 R15.2 R16.2 R18.2 R20.2 R21.2 R26.2 R58.2 U3.17 U3.38 U3.49 U3.59 U3.68 U3.73 U3.84 U3.95 U3.106 U3.108 U3.121 U3.130 U3.144 | length 105.3
  L01 w0.127: v1(38.3,46.4) 38.95,46.4 40.35,45 R4.2@40.4,45
  L01 w0.33: v1(26.45,51) R21.2@26.45,52.15 ; v1(29.25,51.15) R20.2@29.25,52.15 ; R15.2@30.4,71.4 v1(30.4,72.45) ; C20.2@32.946,65.29 32.973,65.263 32.973,64.327 v1(33,64.3) ; v1(34.9,64.3) C19.2@34.9,65.3 ; C19.2@35,65.4 U3.17@36.8,65.4 ; v1(36.225,76.275) 37.175,76.275 C18.2@37.2,76.25 38.472,76.25 38.665,76.057 38.665,75.285 U3.144@38.675,75.275 ; v1(37.725,14.725) 37.728,14.722 37.728,13.993 D5.1@37.73,13.99 ; v1(38.6,50.9) 38.625,50.925 38.625,52.275 C21.2@38.65,52.3 ; C21.2@38.7,52.3 39.175,52.775 U3.38@39.175,54.025 ; R26.2@39.1,81.5 v1(39.1,82.4) ; v1(40.65,49.1) R58.2@41.6,49.1 ; R9.2@42.1,81.851 v1(42.1,82.8) ; v1(43.825,14.725) 43.83,14.72 43.83,13.995 D4.1@43.835,13.99 ; C17.2@44.326,77.28 44.376,77.28 44.711,76.945 44.711,76.895 45.156,76.45 45.482,76.45 45.675,76.257 U3.130@45.675,75.275 ; R8.2@44.807,81.807 44.807,82.793 v1(44.814,82.8) ; C29.2@49.2,78.4 49.2,77.4 50.175,76.425 U3.121@50.175,75.275 ; v1(49.65,50.9) 49.633,50.917 49.633,51.899 C23.2@49.616,51.916 49.675,51.975 U3.59@49.675,54.025 ; v1(50.9,19.1) R7.2@50.9,18.05 50.9,17.725 R7.2@50.912,17.712 ; R18.2@52.3,46.2 v1(53.15,46.2) ; U3.68@54.175,54.025 54.175,55.375 v1(54.6,55.8) ; U3.73@58.05,55.9 58.06,55.89 58.71,55.89 59.95,54.65 C24.2@59.95,53.8 59.95,52.919 59.9,52.869 v1(59.9,52.823) ; U3.84@58.05,61.4 59.75,61.4 C25.2@59.9,61.55 59.925,61.575 61.075,61.575 v1(61.1,61.6) ; U3.95@58.05,66.9 58.06,66.91 59.21,66.91 C26.2@60.1,67.8 ; U3.108@58.05,73.4 57.254,73.4 57.06,73.206 57.06,72.594 57.244,72.41 58.04,72.41 U3.106@58.05,72.4 59.772,72.4 59.837,72.465 59.965,72.465 60.3,72.8 60.3,72.875 61.675,72.875 v1(61.7,72.9) ; R12.2@58.6,77.7 v1(59.575,77.7) ; C26.2@60.1,67.941 C27.2@61.6,67.941 ; C27.2@62,67.95 62,69.129 62.125,69.254 v1(62.125,69.3) ; R10.2@62.2,55.7 v1(62.2,57)
  L01 w0.356: v1(31.875,72.5) R14.2@32.8,72.5 ; v1(44.3,78.2) 44.307,78.193 C17.2@44.307,77.28 ; U3.49@44.678,54.022 U3.49@44.675,54.025 44.675,52.925 C22.2@45.6,52 ; v1(45.613,51.072) 45.631,51.091 45.631,51.969 C22.2@45.6,52 ; C22.2@45.65,52 C22.2@45.6,52 ; C29.2@49.3,78.6 C45.2@49.3,80.282 ; C45.2@49.35,80.5 49.35,80.6 50.072,81.322 50.072,81.672 v1(50.1,81.7) ; R16.2@57.15,46.75 58.05,46.75 58.5,47.2 v1(58.5,48.225)
  L01 w0.5: v1(27.45,57.15) 28.524,56.076 FB1.2@28.524,55.9
  L03 w0.33: v1(37.725,14.725) 46.525,14.725 v1(50.9,19.1) 50.9,30.5
  L04 w0.33: J5.1@20.35,59.85 v1(22.325,59.85) ; J4.4@47.625,68.225 J4.4@47.65,68.25 ; v1(77.675,35.075) 77.681,35.081 79.346,35.081 J1.40@79.35,35.085 ; J1.1@79.35,59.85 v1(81.1,59.85)
  L04 w0.356: J5.40@20.35,35.085 20.353,35.088 22.438,35.088 v1(22.45,35.1)
  L04 w0.5: J4.4@47.625,68.225 47.625,69.4 v1(48,69.775)
  other v1: 31.3,44.7 32.35,44.7
5V: C2.2 C4.2 C5.2 C6.2 C8.2 C9.2 C11.2 C12.2 J1.12 J1.38 J5.49 J5.78 L1.2 R2.2 R6.2 R11.2 U2.3 | length 158.7
  L01 w0.356: R2.2@37.05,45.05 v1(37.05,46.1) ; v1(42.925,25.275) 42.937,25.262 44.138,25.262 R11.2@44.15,25.25
  L01 w0.635: R6.2@48.9,17.826 R6.2@48.9,18.05 v1(48.9,19.1)
  L03 w0.635: v1(13.769,54.77) 13.67,54.77 12.779,53.879 12.779,37.296 v1(13.7,36.375) 13.7,32.475 15.05,31.125 v1(38.425,31.125) ; v1(37.05,46.1) 38.425,44.725 v1(38.425,31.125) ; v1(48.9,19.1) 48.9,22.2 45.825,25.275 v1(42.925,25.275) 40.9,27.3 40.9,28.65 v1(38.425,31.125) ; v1(52,19.125) 52,29.225 52.45,29.675 78.016,29.675 81.4,33.059 v1(81.4,52.825)
  L04 w0.33: J1.38@79.35,36.355 79.352,36.353 81.398,36.353 v1(81.4,36.35) ; J1.12@79.35,52.865 81.314,52.865 81.354,52.825 v1(81.4,52.825)
  L04 w0.356: v1(13.7,36.375) 13.717,36.358 15.647,36.358 J5.78@15.65,36.355 ; v1(13.769,54.77) J5.49@15.65,54.77
  L04 w0.635: v1(48.9,19.1) 49.925,18.075 51.45,18.075 52,18.625 v1(52,19.125)
ADC_IN11: J5.29 U3.41 | length 27.4
  L01 w0.127: v1(40.5,55.4) 40.5,55.327 40.688,55.139 40.688,54.037 U3.41@40.675,54.025
  L04 w0.127: J5.29@20.35,42.07 24.345,42.07 33.979,51.704 37.27,51.704 40.5,54.934 v1(40.5,55.4)
ADC_IN12: J5.30 U3.42 | length 30.9
  L01 w0.127: U3.42@41.175,54.025 41.175,56.439 41.4,56.664 v1(41.4,56.7)
  L04 w0.127: J5.30@20.35,41.435 24.069,41.435 34.084,51.45 37.375,51.45 41.4,55.475 v1(41.4,56.7)
ADC_IN15: J5.31 U3.43 | length 29.7
  L01 w0.127: U3.43@41.675,54.025 41.675,54.875 42.2,55.4 v1(42.3,55.4)
  L04 w0.127: J5.31@20.35,40.8 23.793,40.8 34.189,51.196 37.48,51.196 41.613,55.329 42.229,55.329 v1(42.3,55.4)
BOOT0: R26.1 R27.2 U3.137 | length 8.1
  L01 w0.127: R27.2@37.3,79.9 R26.1@39.1,79.9 ; R26.1@39.084,79.916 39.116,79.884 39.716,79.884 41.4,78.2 41.4,77.6 42.165,76.835 42.165,75.285 U3.137@42.175,75.275
BOOT_3V3: C10.2 U2.6 | length 1.5
  L01 w0.127: U2.6@35.485,41.765 C10.2@35.485,43.265
BOOT_5V: C7.2 U1.1 | length 2.5
  L01 w0.356: C7.2@47.15,32.35 47.15,30.955 47.45,30.655 U1.1@48.1,30.655
EN_3V3: R2.1 U2.5 | length 1.9
  L01 w0.127: U2.5@36.45,41.75 36.45,42.794 R2.1@37.05,43.394
EN_5V: R1.1 R3.2 U1.5 | length 21.1
  L01 w0.356: v1(41.1,21.4) R1.1@42.55,21.4 R3.2@44.65,21.4 ; U1.5@52.8,26.845 52.806,26.839 54.036,26.839 v1(54.6,26.275)
  L04 w0.127: v1(41.1,21.4) 41.675,21.975 44.928,21.975 48.152,25.199 53.524,25.199 v1(54.6,26.275)
FB_3V3: R4.1 R5.2 U2.4 | length 4.2
  L01 w0.127: U2.4@37.4,41.75 37.4,42.5 37.6,42.7 38.206,42.7 R5.2@38.756,43.25 ; R5.2@38.8,43.25 R4.1@38.8,45
FB_5: R11.1 R13.2 U1.4 | length 4
  L01 w0.356: R11.1@44.15,26.85 R13.2@45.9,26.85 45.902,26.848 48.097,26.848 U1.4@48.1,26.845